# Altium PCB PCB.PcbDoc (part 3 of 10)
Units mm, origin at the board's own origin, x right, y up, seen from the top; angles counter-clockwise.
Board outline 25 x 25 mm, 10 copper layers (Top Layer, bu3, bu2, bu1, Core1, Core1b, bu1b, bu2b, bu3b, Bottom Layer), stack 1.2 mm thick; 43 components, 310 nets, 1945 pads, 12307 vias.
Unrouted connection lines stored in the file: 68.
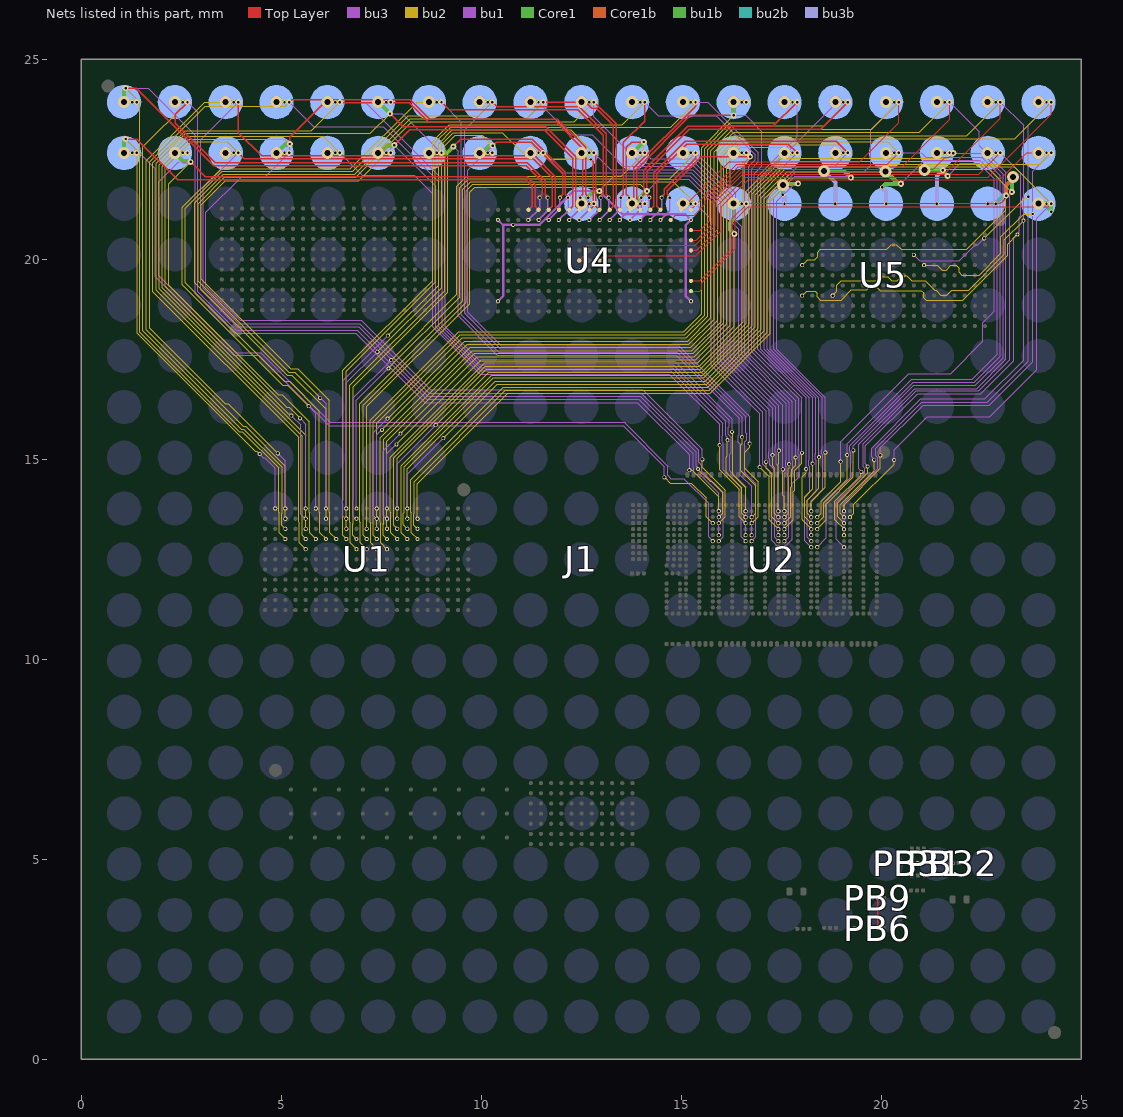
[diagram p11: the nets of this part, all layers, seen from the top]

## Via types
v1: diameter 0.1, hole 0.06, Top Layer to bu3, 2216 vias
v2: diameter 0.1, hole 0.06, bu3 to bu2, 1881 vias
v3: diameter 0.1, hole 0.06, bu3b to Bottom Layer, 1302 vias
v4: diameter 0.1, hole 0.06, bu2b to bu3b, 1272 vias
v5: diameter 0.1, hole 0.06, bu2 to bu1, 1248 vias
v6: diameter 0.15/0.1 (per signal layer), hole 0.06, Core1b to bu1b, 1224 vias
v7: diameter 0.1/0.15 (per signal layer), hole 0.06, bu1 to Core1, 1096 vias
v8: diameter 0.1, hole 0.06, bu1b to bu2b, 1021 vias
v9: diameter 0.25, hole 0.15, Core1 to Core1b, 537 vias
v10: diameter 0.3, hole 0.15, Core1 to Core1b, 253 vias
v11: diameter 0.1/0.1 (per signal layer), hole 0.06, bu1b to bu2b, 114 vias
v12: diameter 0.26, hole 0.15, Core1 to Core1b, 81 vias
v13: diameter 0.1, hole 0.06, bu1 to Core1, 52 vias
v14: diameter 0.105, hole 0.06, Top Layer to bu3, 6 vias
v15: diameter 0.1, hole 0.06, Core1b to bu1b, 4 vias

## Nets (pads, with @x,y where several pads share a name; then routed paths per layer and width w, separated by ;. In a path a pad name is that pad's centre, name@x,y a point inside that pad or via, vN(x,y) a via of type N, cw(c..) or ccw(c..) an arc to the next point about the centre after c; other vN are vias at no path point) (continued)
S_Thru1: PB31.2 PB32.2 | length 0.9
  bu3 w0.04: v1@20.885,4.902 v1(21.779,4.902)
  other v1: 20.909,4.902
S_Thru2: PB6.2 PB9.2 | length 0.8
  Top Layer w0.04: PB6.2@19.914,3.278 PB9.2@19.914,4.038
sig_A1: J1.A1 U1.M4 U2.208 U4.U5 U5.N4 | length 55.1
  Top Layer w0.03: U4.U5@15.242,20.222 15.382,20.222 15.922,20.762 15.922,21.37 16.609,22.057 22.679,22.057 24.245,23.623 v6(24.245,23.931)
  Core1 w0.1: v8(23.93,23.93) v6(24.245,23.931)
  Core1b w0.1: v8(23.93,23.93) v6(24.245,23.931)
  bu3b w0.1: v8(23.93,23.93) v4(24.13,23.93)
  bu2 w0.03: v2@7.639,13.008 7.549,13.098 7.549,13.386 7.555,13.392 7.555,15.499 9.773,17.717 15.266,17.717 15.993,18.444 15.993,22.643 16.367,23.017 23.331,23.017 v6(24.245,23.931) ; v5(22.573,20.522) 23.605,21.554 23.661,21.554 v5(23.67,21.563)
  bu2b w0.1: v8(23.93,23.93) v4(24.13,23.93)
  bu1 w0.03: v1(19.067,13.104) 19.067,13.92 19.91,14.763 19.91,15.042 19.862,15.09 19.862,15.283 21.008,16.429 22.648,16.429 23.669,17.45 v5(23.67,21.563) 23.669,23.355 v6(24.245,23.931) ; v1(20.814,20.11) 20.955,19.969 21.952,19.969 22.344,20.361 22.412,20.361 v5(22.573,20.522)
  bu1b w0.1: v8(23.93,23.93) v6(24.245,23.931)
  other v1: 7.642,13.008 24.245,23.931
  other v2: 7.642,13.008 19.067,13.104 20.814,20.11 24.245,23.931
  other v3: 23.93,23.93
  other v5: 19.067,13.104 20.814,20.11 24.245,23.931
  other v7: 24.245,23.931
  other v10: 23.93,23.93
sig_A2: J1.A2 U1.M5 U2.205 U4.U4 U5.F8 | length 55.3
  Top Layer w0.03: U4.U4@15.242,20.476 15.37,20.476 15.778,20.884 15.778,21.456 16.507,22.185 21.635,22.185 22.975,23.525 v6(22.975,23.931)
  Core1 w0.1: v8(22.66,23.93) v6(22.975,23.931)
  Core1b w0.1: v8(22.66,23.93) v6(22.975,23.931)
  bu3b w0.1: v8(22.66,23.93) v4(22.86,23.93)
  bu2 w0.03: v2(7.641,12.754) 7.483,12.913 7.483,13.408 7.47,13.421 7.47,15.54 9.729,17.799 15.233,17.799 15.912,18.478 15.912,22.677 16.325,23.09 22.134,23.09 v6(22.975,23.931) ; v1(18.782,19.094) 18.891,19.203 18.891,19.351 19.002,19.462 19.912,19.462 20.015,19.565 20.164,19.565 20.259,19.47 20.402,19.47 20.527,19.595 20.634,19.595 20.759,19.47 21.095,19.47 21.336,19.229 21.369,19.229 21.491,19.107 21.641,19.107 21.765,19.231 22.18,19.231 23.074,20.125 23.074,20.488 v5(23.555,20.969) ; v2(19.067,13.554) 18.967,13.654 18.967,13.864 19.82,14.717 v5(19.82,14.986)
  bu2b w0.1: v8(22.66,23.93) v4(22.86,23.93)
  bu1 w0.03: v5(19.82,14.986) 19.82,14.998 19.759,15.059 19.759,15.282 20.992,16.515 22.592,16.515 23.555,17.478 v5(23.555,20.969) 23.555,23.35 v6(22.975,23.931)
  bu1b w0.1: v8(22.66,23.93) v6(22.975,23.931)
  other v1: 7.641,12.754 19.067,13.554 22.975,23.931
  other v2: 18.782,19.094 22.975,23.931
  other v3: 22.66,23.93
  other v5: 22.975,23.931
  other v7: 22.975,23.931
  other v10: 22.66,23.93
sig_A3: J1.A3 U1.L1 U2.207 U4.S2 | length 46
  Top Layer w0.03: U4.S2@14.734,20.984 14.857,21.107 15.323,21.107 15.602,21.386 15.602,21.492 16.426,22.316 20.52,22.316 21.705,23.5 v6(21.705,23.931)
  bu3 w0.03: v1(7.387,13.77) 7.387,15.611 v2(7.516,15.739) v2(7.516,15.739)
  Core1 w0.1: v3(21.39,23.93) v6(21.705,23.931)
  Core1b w0.1: v3(21.39,23.93) v6(21.705,23.931)
  bu3b w0.1: v3(21.39,23.93) v4(21.59,23.93)
  bu2 w0.03: v2(7.516,15.739) 7.516,15.74 9.651,17.875 15.191,17.875 15.821,18.505 15.821,22.688 16.305,23.172 20.946,23.172 v6(21.705,23.931) ; v2@19.067,13.259 18.841,13.485 18.841,13.948 19.487,14.594 19.487,14.674 v5(19.5,14.687)
  bu2b w0.1: v3(21.39,23.93) v4(21.59,23.93)
  bu1 w0.03: v5(19.5,14.687) 19.5,14.699 19.439,14.76 19.439,15.375 20.834,16.77 22.386,16.77 23.116,17.5 23.116,22.172 22.45,22.838 22.45,23.185 v6(21.705,23.931)
  bu1b w0.1: v3(21.39,23.93) v6(21.705,23.931)
  other v1: 19.067,13.254 21.705,23.931
  other v2: 19.067,13.254 21.705,23.931
  other v5: 21.705,23.931
  other v7: 21.705,23.931
  other v8: 21.39,23.93
  other v10: 21.39,23.93
sig_A4: J1.A4 U1.L2 U2.234 U4.T1 | length 42.8
  Top Layer w0.03: U4.T1@14.988,21.238 15.135,21.385 16.195,22.445 19.462,22.445 20.435,23.418 v6(20.435,23.931)
  bu3 w0.03: v1(7.387,13.516) 7.375,13.516 7.297,13.594 7.297,15.66 7.654,16.017 v2(7.655,16.017)
  Core1 w0.1: v3(20.12,23.93) v6(20.435,23.931)
  Core1b w0.1: v3(20.12,23.93) v6(20.435,23.931)
  bu3b w0.1: v3(20.12,23.93) v4(20.32,23.93)
  bu2 w0.03: v2(7.655,16.017) v2(7.655,16.017) 9.592,17.955 15.158,17.955 15.741,18.538 15.741,22.715 16.28,23.254 19.758,23.254 v6(20.435,23.931) ; v1(18.247,13.554) 18.147,13.654 18.147,13.978 18.441,14.272 v5(18.441,15.057)
  bu2b w0.1: v3(20.12,23.93) v4(20.32,23.93)
  bu1 w0.03: v5(18.441,15.057) 18.441,16.539 17.229,17.751 17.229,21.556 17.866,22.193 19.579,22.193 19.74,22.354 19.74,23.236 v6(20.435,23.931)
  bu1b w0.1: v3(20.12,23.93) v6(20.435,23.931)
  other v1: 20.435,23.931
  other v2: 18.247,13.554 20.435,23.931
  other v5: 20.435,23.931
  other v7: 20.435,23.931
  other v8: 20.12,23.93
  other v10: 20.12,23.93
sig_A5: J1.A5 U1.L3 U2.239 U4.P2 | length 41.4
  Top Layer w0.035: v1(14.2,21.541) 14.2,21.558 14.136,21.622 14.136,22.193 15.194,23.251 18.485,23.251 v6(19.165,23.931)
  bu3 w0.035: v1(13.972,20.984) 14.2,21.212 v1(14.2,21.541)
  Core1 w0.1: v10(18.85,23.93) v6(19.165,23.931)
  Core1b w0.1: v10(18.85,23.93) v6(19.165,23.931)
  bu3b w0.1: v10(18.85,23.93) v4(19.05,23.93)
  bu2 w0.03: v2(7.387,13.262) 7.387,15.903 9.521,18.037 15.123,18.037 15.658,18.572 15.658,22.736 16.258,23.336 18.57,23.336 v6(19.165,23.931)
  bu2b w0.1: v10(18.85,23.93) v4(19.05,23.93)
  bu1 w0.03: v2(18.247,12.804) 18.083,12.968 18.083,14.043 18.211,14.171 18.211,14.819 18.191,14.839 18.191,14.979 18.201,14.989 18.201,16.539 16.989,17.751 16.989,22.017 18.902,23.931 v6(19.165,23.931)
  bu1b w0.1: v10(18.85,23.93) v6(19.165,23.931)
  other v1: 18.247,12.804 7.387,13.262 19.165,23.931
  other v2: 19.165,23.931
  other v3: 18.85,23.93
  other v5: 18.247,12.804 19.165,23.931
  other v7: 19.165,23.931
  other v8: 18.85,23.93
sig_A6: J1.A6 U1.L4 U2.236 U4.O2 | length 38.3
  Top Layer w0.035: v1(13.998,21.541) 13.998,21.558 14.062,21.622 14.062,22.223 15.164,23.325 17.289,23.325 v6(17.895,23.931)
  bu3 w0.035: v1(13.718,20.984) 13.998,21.264 v1(13.998,21.541)
  Core1 w0.1: v3(17.58,23.93) v6(17.895,23.931)
  Core1b w0.1: v3(17.58,23.93) v6(17.895,23.931)
  bu3b w0.1: v3(17.58,23.93) v4(17.78,23.93)
  bu2 w0.03: v2@7.387,13.008 7.297,13.098 7.297,13.386 7.303,13.392 7.303,15.939 9.479,18.114 15.091,18.114 15.581,18.604 15.581,22.767 16.226,23.412 17.376,23.412 v6(17.895,23.931) ; v5(18.121,14.758) 18.121,14.663 18.021,14.563 18.021,13.485 v2@18.247,13.259
  bu2b w0.1: v3(17.58,23.93) v4(17.78,23.93)
  bu1 w0.03: v6(17.895,23.931) 17.895,23.065 16.909,22.079 16.909,17.751 18.121,16.539 v5(18.121,14.758)
  bu1b w0.1: v3(17.58,23.93) v6(17.895,23.931)
  other v1: 7.388,13.008 18.247,13.254 17.895,23.931
  other v2: 7.388,13.008 18.247,13.254 17.895,23.931
  other v5: 17.895,23.931
  other v7: 17.895,23.931
  other v8: 17.58,23.93
  other v10: 17.58,23.93
sig_A7: J1.A7 U1.L5 U2.252 U4.P1 | length 34.9
  Top Layer w0.035: U4.P1@13.972,21.238 13.882,21.328 13.882,22.254 15.228,23.6 v7(16.31,23.6)
  Core1 w0.1: v7(16.31,23.6) v8(16.31,23.93)
  Core1b w0.1: v8(16.31,23.93) v6(16.625,23.931)
  bu3b w0.1: v8(16.31,23.93) v4(16.51,23.93)
  bu2 w0.03: v2@7.39,12.754 7.231,12.913 7.231,13.408 7.218,13.421 7.218,15.974 9.435,18.191 15.06,18.191 15.505,18.636 15.505,22.795 v7(16.31,23.6) ; v2@17.577,13.259 17.803,13.485 17.803,14.195 17.839,14.231 17.839,14.724 18.016,14.901 v5(18.016,15.162)
  bu2b w0.1: v8(16.31,23.93) v4(16.51,23.93)
  bu1 w0.03: v7(16.31,23.6) 16.607,23.6 17.012,23.195 17.012,22.326 16.829,22.143 16.829,17.726 18.016,16.539 v5(18.016,15.162)
  bu1b w0.1: v8(16.31,23.93) v6(16.625,23.931)
  other v1: 7.387,12.754 17.577,13.254 16.31,23.6
  other v2: 7.387,12.754 17.577,13.254 16.31,23.6
  other v3: 16.31,23.93
  other v5: 16.31,23.6
  other v10: 16.31,23.93
sig_A8: J1.A8 U1.I3 U2.255 U4.O1 | length 34.9
  Top Layer w0.035: U4.O1@13.718,21.238 13.808,21.328 13.808,22.285 15.355,23.831 v7(15.355,23.931)
  Core1 w0.1: v3(15.04,23.93) v7(15.355,23.931)
  Core1b w0.1: v3(15.04,23.93) v7(15.355,23.931)
  bu3b w0.1: v3(15.04,23.93) v4(15.24,23.93)
  bu2 w0.03: v1(6.625,13.262) 6.625,17.201 8.854,19.43 8.854,22.921 9.239,23.306 14.73,23.306 v7(15.355,23.931)
  bu2b w0.1: v3(15.04,23.93) v4(15.24,23.93)
  bu1 w0.03: v7(15.355,23.931) 15.656,23.931 16.926,22.66 16.926,22.434 16.759,22.267 16.759,17.686 17.934,16.511 17.934,15.254 17.926,15.246 17.926,15.124 17.948,15.102 17.948,14.568 17.777,14.397 17.777,13.004 v5(17.577,12.804)
  bu1b w0.1: v3(15.04,23.93) v7(15.355,23.931)
  other v1: 17.577,12.804 15.355,23.931
  other v2: 17.577,12.804 6.625,13.262 15.355,23.931
  other v5: 15.355,23.931
  other v6: 15.355,23.931
  other v8: 15.04,23.93
  other v10: 15.04,23.93
sig_A9: J1.A9 U1.I4 U2.251 U4.M2 | length 34.5
  Top Layer w0.035: v1(13.49,21.541) 13.49,21.558 13.554,21.622 13.554,22.923 14.085,23.453 v7(14.085,23.931)
  bu3 w0.035: v1(13.21,20.984) 13.49,21.264 v1(13.49,21.541)
  Core1 w0.1: v3(13.77,23.93) v7(14.085,23.931)
  Core1b w0.1: v3(13.77,23.93) v7(14.085,23.931)
  bu3b w0.1: v3(13.77,23.93) v4(13.97,23.93)
  bu2 w0.03: v2@6.625,13.008 6.535,13.098 6.535,13.386 6.541,13.392 6.541,17.227 8.784,19.47 8.784,22.95 9.204,23.37 13.524,23.37 v7(14.085,23.931) ; v2(17.577,13.404) 17.738,13.565 17.738,14.305 17.763,14.33 17.763,14.757 17.858,14.852 v5(17.858,15.047)
  bu2b w0.1: v3(13.77,23.93) v4(13.97,23.93)
  bu1 w0.03: v7(14.085,23.931) 14.427,23.588 15.872,23.588 16.846,22.614 16.846,22.488 16.685,22.327 16.685,17.639 17.858,16.466 v5(17.858,15.047)
  bu1b w0.1: v3(13.77,23.93) v7(14.085,23.931)
  other v1: 6.626,13.008 17.577,13.404 14.085,23.931
  other v2: 6.626,13.008 14.085,23.931
  other v5: 14.085,23.931
  other v6: 14.085,23.931
  other v8: 13.77,23.93
  other v10: 13.77,23.93
sig_A10: J1.A10 U1.G1 U2.262 U4.N1 | length 37.2
  Top Layer w0.035: v6(12.815,23.931) 12.829,23.931 13.374,23.386 13.374,21.328 U4.N1@13.464,21.238
  bu3 w0.03: v2(5.973,16.536) 6.117,16.392 v1(6.117,13.77)
  Core1 w0.1: v8(12.5,23.93) v6(12.815,23.931)
  Core1b w0.1: v8(12.5,23.93) v6(12.815,23.931)
  bu3b w0.1: v8(12.5,23.93) v4(12.7,23.93)
  bu2 w0.03: v2(5.973,16.536) 5.331,17.178 5.189,17.178 2.918,19.449 2.918,21.388 3.577,22.047 6.867,22.047 8.259,23.439 12.323,23.439 v6(12.815,23.931) ; v2(17.427,13.704) 17.427,14.884 17.438,14.895 v5(17.438,15.218)
  bu2b w0.1: v8(12.5,23.93) v4(12.7,23.93)
  bu1 w0.03: v6(12.815,23.931) 12.815,23.561 13.972,22.403 15.348,22.403 16.217,21.534 16.217,17.558 17.438,16.337 v5(17.438,15.218)
  bu1b w0.1: v8(12.5,23.93) v6(12.815,23.931)
  other v1: 17.427,13.704 12.815,23.931
  other v2: 12.815,23.931
  other v3: 12.5,23.93
  other v5: 12.815,23.931
  other v7: 12.815,23.931
  other v10: 12.5,23.93
sig_A11: J1.A11 U1.G2 U2.266 U4.M1 | length 39.2
  Top Layer w0.035: v6(11.545,23.931) 12.609,23.931 12.756,23.783 12.872,23.783 13.3,23.355 13.3,21.328 U4.M1@13.21,21.238
  Core1 w0.1: v3(11.23,23.93) v6(11.545,23.931)
  Core1b w0.1: v3(11.23,23.93) v6(11.545,23.931)
  bu3b w0.1: v3(11.23,23.93) v4(11.43,23.93)
  bu2 w0.03: v1(6.117,13.516) 6.117,16.251 5.266,17.102 5.154,17.102 2.84,19.416 2.84,21.41 3.552,22.122 6.831,22.122 8.227,23.518 11.132,23.518 v6(11.545,23.931)
  bu2b w0.1: v3(11.23,23.93) v4(11.43,23.93)
  bu1 w0.03: v6(11.545,23.931) 11.545,23.803 12.238,23.11 12.773,23.11 13.562,22.321 15.314,22.321 16.143,21.492 16.143,17.516 17.356,16.303 17.356,15.31 17.348,15.302 17.348,15.18 17.37,15.158 17.37,14.876 17.427,14.819 v5(17.427,13.104)
  bu1b w0.1: v3(11.23,23.93) v6(11.545,23.931)
  other v1: 17.427,13.104 11.545,23.931
  other v2: 17.427,13.104 6.117,13.516 11.545,23.931
  other v5: 11.545,23.931
  other v7: 11.545,23.931
  other v8: 11.23,23.93
  other v10: 11.23,23.93
sig_A12: J1.A12 U1.G4 U2.283 U4.L2 | length 42.3
  Top Layer w0.035: v6(10.275,23.931) 10.395,23.81 12.445,23.81 13.12,23.135 13.12,21.622 13.184,21.558 v1(13.184,21.541)
  bu3 w0.035: v1(12.956,20.984) 13.184,21.212 v1(13.184,21.541)
  Core1 w0.1: v3(9.96,23.93) v6(10.275,23.931)
  Core1b w0.1: v3(9.96,23.93) v6(10.275,23.931)
  bu3b w0.1: v3(9.96,23.93) v4(10.16,23.93)
  bu2 w0.03: v2(6.118,13.008) 5.961,13.167 5.961,13.662 5.948,13.675 5.948,16.208 5.21,16.946 5.069,16.946 2.6,19.415 2.6,21.272 3.526,22.198 6.783,22.198 8.173,23.588 9.932,23.588 v6(10.275,23.931)
  bu2b w0.1: v3(9.96,23.93) v4(10.16,23.93)
  bu1 w0.03: v6(10.275,23.931) 9.582,23.238 9.582,18.649 10.47,17.761 14.915,17.761 16.608,16.068 16.608,15.67 16.634,15.644 16.634,15.488 16.584,15.438 16.584,14.666 16.864,14.386 16.864,13.061 v5(16.757,12.954)
  bu1b w0.1: v3(9.96,23.93) v6(10.275,23.931)
  other v1: 16.757,12.954 6.118,13.008 10.275,23.931
  other v2: 16.757,12.954 10.275,23.931
  other v5: 10.275,23.931
  other v7: 10.275,23.931
  other v8: 9.96,23.93
  other v10: 9.96,23.93
sig_A13: J1.A13 U1.F1 U2.279 U4.K2 | length 40.8
  Top Layer w0.035: v6(9.005,23.931) 9.082,23.853 9.199,23.736 12.414,23.736 13.046,23.104 13.046,21.622 12.982,21.558 v1(12.982,21.541)
  bu3 w0.03: v2(5.683,16.329) 5.863,16.149 v1(5.863,13.77)
  bu3 w0.035: v1(12.702,20.984) 12.982,21.264 v1(12.982,21.541)
  Core1 w0.1: v3(8.69,23.93) v6(9.005,23.931)
  Core1b w0.1: v3(8.69,23.93) v6(9.005,23.931)
  bu3b w0.1: v3(8.69,23.93) v4(8.89,23.93)
  bu2 w0.03: v2(5.683,16.329) 5.157,16.855 5.041,16.855 2.529,19.367 2.529,21.297 3.497,22.265 6.729,22.265 8.395,23.931 v6(9.005,23.931) ; v5(16.519,15.555) 16.519,15.385 16.48,15.346 16.48,14.713 16.857,14.336 16.857,13.654 v2(16.757,13.554)
  bu2b w0.1: v3(8.69,23.93) v4(8.89,23.93)
  bu1 w0.03: v6(9.005,23.931) 9.503,23.432 9.503,18.616 10.437,17.682 14.886,17.682 16.519,16.049 v5(16.519,15.555)
  bu1b w0.1: v3(8.69,23.93) v6(9.005,23.931)
  other v1: 16.757,13.554 9.005,23.931
  other v2: 9.005,23.931
  other v5: 9.005,23.931
  other v7: 9.005,23.931
  other v8: 8.69,23.93
  other v10: 8.69,23.93
sig_A14: J1.A14 U1.E4 U2.291 U4.J1 | length 41.9
  Top Layer w0.035: v5(7.717,23.641) 8.045,23.313 11.605,23.313 12.358,22.56 12.358,21.328 U4.J1@12.448,21.238
  Core1 w0.1: v8(7.42,23.93) 7.424,23.93 7.713,23.641 v5(7.717,23.641)
  Core1b w0.1: v8(7.42,23.93) v6(7.735,23.931)
  bu3b w0.1: v8(7.42,23.93) v4(7.62,23.93)
  bu2 w0.03: v2@5.607,13.008 5.517,13.098 5.517,13.386 5.523,13.392 5.523,15.572 1.868,19.227 1.868,22.397 2.617,23.146 7.222,23.146 v5(7.717,23.641) ; v5(16.268,15.686) 16.28,15.674 16.28,14.616 16.607,14.289 v2(16.607,13.704)
  bu2b w0.1: v8(7.42,23.93) v4(7.62,23.93)
  bu1 w0.03: v5(7.717,23.641) 8.024,23.641 9.099,22.566 9.099,18.32 9.971,17.448 14.833,17.448 16.275,16.006 16.275,15.693 v5(16.268,15.686)
  bu1b w0.1: v8(7.42,23.93) v6(7.735,23.931)
  other v1: 5.61,13.008 16.607,13.704 7.717,23.641
  other v2: 5.61,13.008 7.717,23.641
  other v3: 7.42,23.93
  other v7: 7.717,23.641
  other v10: 7.42,23.93
sig_A15: J1.A15 U1.E5 U2.295 | length 36.2
  Core1 w0.1: v3(6.15,23.93) v7(6.465,23.931)
  Core1b w0.1: v3(6.15,23.93) v7(6.465,23.931)
  bu3b w0.1: v3(6.15,23.93) v4(6.35,23.93)
  bu2 w0.03: v1(5.609,12.754) 5.451,12.913 5.451,13.408 5.438,13.421 5.438,15.547 1.79,19.195 1.79,22.408 2.599,23.217 5.751,23.217 v7(6.465,23.931)
  bu2b w0.1: v3(6.15,23.93) v4(6.35,23.93)
  bu1 w0.03: v7(6.465,23.931) 7.093,23.931 9.017,22.006 9.017,18.32 9.971,17.366 14.799,17.366 16.194,15.971 16.194,15.818 16.178,15.802 16.178,15.624 16.244,15.558 16.244,15.165 16.209,15.13 16.209,14.713 16.607,14.315 v5(16.607,13.104)
  bu1b w0.1: v3(6.15,23.93) v7(6.465,23.931)
  other v1: 16.607,13.104
  other v2: 5.609,12.754 16.607,13.104
  other v5: 6.465,23.931
  other v6: 6.465,23.931
  other v8: 6.15,23.93
  other v10: 6.15,23.93
sig_A16: J1.A16 U1.C1 U2.292 U4.J2 | length 44.4
  Top Layer w0.035: v6(5.195,23.931) 5.256,23.992 8.222,23.992 8.706,23.508 11.904,23.508 12.612,22.8 12.612,21.622 12.676,21.558 v1(12.676,21.541)
  bu3 w0.03: v2(4.915,15.148) 5.102,14.961 v1(5.102,13.77)
  bu3 w0.035: v1(12.448,20.984) 12.676,21.212 v1(12.676,21.541)
  Core1 w0.1: v8(4.88,23.93) v6(5.195,23.931)
  Core1b w0.1: v8(4.88,23.93) v6(5.195,23.931)
  bu3b w0.1: v8(4.88,23.93) v4(5.08,23.93)
  bu2 w0.03: v2(4.915,15.148) 3.678,16.385 3.603,16.385 1.708,18.279 1.708,22.438 3.099,23.829 5.093,23.829 v6(5.195,23.931) ; v5(16.154,15.477) 16.154,15.085 16.117,15.048 16.117,14.675 16.507,14.285 16.507,13.654 v2(16.607,13.554)
  bu2b w0.1: v8(4.88,23.93) v4(5.08,23.93)
  bu1 w0.03: v6(5.195,23.931) 5.805,23.32 7.554,23.32 8.941,21.933 8.941,18.318 9.969,17.29 14.768,17.29 16.11,15.948 16.11,15.588 16.15,15.548 16.15,15.481 v5(16.154,15.477)
  bu1b w0.1: v8(4.88,23.93) v6(5.195,23.931)
  other v1: 16.607,13.554 5.195,23.931
  other v2: 5.195,23.931
  other v3: 4.88,23.93
  other v5: 5.195,23.931
  other v7: 5.195,23.931
  other v10: 4.88,23.93
sig_A17: J1.A17 U1.C2 U2.308 U4.H1 | length 45.8
  Top Layer w0.035: v6(3.925,23.931) 3.925,23.168 4.505,22.588 11.332,22.588 11.85,22.07 11.85,21.328 U4.H1@11.94,21.238
  Core1 w0.1: v3(3.61,23.93) v6(3.925,23.931)
  Core1b w0.1: v3(3.61,23.93) v6(3.925,23.931)
  bu3b w0.1: v3(3.61,23.93) v4(3.81,23.93)
  bu2 w0.03: v6(3.925,23.931) 3.089,23.931 1.623,22.464 1.623,18.244 4.044,15.823 4.109,15.823 5.102,14.83 v1(5.102,13.516) ; v5(15.416,14.758) 15.72,14.454 15.747,14.454 16.037,14.164 16.037,13.654 v2(15.937,13.554)
  bu2b w0.1: v3(3.61,23.93) v4(3.81,23.93)
  bu1 w0.03: v6(3.925,23.931) 2.98,22.986 2.98,19.234 3.903,18.311 6.931,18.311 8.664,16.578 13.969,16.578 15.367,15.18 15.367,14.822 15.416,14.773 v5(15.416,14.758)
  bu1b w0.1: v3(3.61,23.93) v6(3.925,23.931)
  other v1: 15.937,13.554 3.925,23.931
  other v2: 5.102,13.516 3.925,23.931
  other v5: 3.925,23.931
  other v7: 3.925,23.931
  other v8: 3.61,23.93
  other v10: 3.61,23.93
sig_A18: J1.A18 U1.C3 U2.311 U4.F2 | length 46.9
  Top Layer w0.035: v7(2.655,23.931) 2.348,23.624 2.348,23.404 3.344,22.409 11.152,22.409 11.596,21.965 11.596,21.622 11.66,21.558 v1(11.66,21.541)
  bu3 w0.035: v1(11.432,20.984) 11.66,21.212 v1(11.66,21.541)
  Core1 w0.1: v8(2.34,23.93) v7(2.655,23.931)
  Core1b w0.1: v8(2.34,23.93) v7(2.655,23.931)
  bu3b w0.1: v8(2.34,23.93) v4(2.54,23.93)
  bu2 w0.03: v7(2.655,23.931) 1.542,22.818 1.542,18.211 3.995,15.758 4.066,15.758 5.017,14.807 5.017,13.646 5.012,13.641 5.012,13.352 v1(5.102,13.262)
  bu2b w0.1: v8(2.34,23.93) v4(2.54,23.93)
  bu1 w0.03: v7(2.655,23.931) 2.913,23.672 2.913,19.188 3.87,18.231 6.898,18.231 8.631,16.498 13.936,16.498 15.295,15.139 15.295,14.798 15.311,14.782 15.311,14.682 15.361,14.632 15.461,14.632 15.937,14.156 v2(15.937,13.104)
  bu1b w0.1: v8(2.34,23.93) v7(2.655,23.931)
  other v1: 15.937,13.104 2.655,23.931
  other v2: 5.102,13.262 2.655,23.931
  other v3: 2.34,23.93
  other v5: 15.937,13.104 2.655,23.931
  other v6: 2.655,23.931
  other v10: 2.34,23.93
sig_A19: J1.A19 U1.C4 U2.307 U4.E2 | length 48.8
  Top Layer w0.035: v5(1.11,24.277) 1.371,24.277 3.313,22.335 11.122,22.335 11.522,21.935 11.522,21.622 11.458,21.558 v1(11.458,21.541)
  bu3 w0.035: v1(11.178,20.984) 11.458,21.264 v1(11.458,21.541)
  Core1 w0.1: v3(1.07,23.93) 1.07,24.223 1.11,24.263 v5(1.11,24.277)
  Core1b w0.1: v3(1.07,23.93) v6(1.385,23.931)
  bu3b w0.1: v3(1.07,23.93) v4(1.27,23.93)
  bu2 w0.03: v5(1.11,24.277) 1.466,23.921 1.466,18.179 3.953,15.692 4.028,15.692 4.932,14.788 4.932,13.675 4.945,13.662 4.945,13.167 v2(5.102,13.009) ; v5(15.2,14.731) 15.203,14.728 15.271,14.728 15.937,14.062 v2(15.937,13.704)
  bu2b w0.1: v3(1.07,23.93) v4(1.27,23.93)
  bu1 w0.03: v5(1.11,24.277) 1.669,24.277 2.848,23.098 2.848,19.14 3.837,18.151 6.865,18.151 8.598,16.418 13.903,16.418 15.207,15.114 15.207,14.738 v5(15.2,14.731)
  bu1b w0.1: v3(1.07,23.93) v6(1.385,23.931)
  other v1: 5.102,13.009 15.937,13.704 1.11,24.277
  other v2: 1.11,24.277
  other v7: 1.11,24.277
  other v8: 1.07,23.93
  other v10: 1.07,23.93
sig_B1: J1.B1 U1.O4 U2.204 U4.L6 U5.O5 | length 53.3
  Top Layer w0.03: U4.L6@12.956,19.968 13.075,20.087 15.362,20.087 15.994,20.719 15.994,21.314 16.675,21.995 22.965,21.995 23.631,22.661 v6(24.245,22.661)
  Core1 w0.1: v3(23.93,22.66) v6(24.245,22.661)
  Core1b w0.1: v3(23.93,22.66) v6(24.245,22.661)
  bu3b w0.1: v3(23.93,22.66) v4(24.13,22.66)
  bu2 w0.03: v1(8.15,13.008) 7.996,13.164 7.996,14.84 10.26,17.104 15.537,17.104 16.778,18.345 16.778,21.641 17.518,22.381 23.965,22.381 v6(24.245,22.661) ; v1(19.067,13.704) 19.067,13.861 19.978,14.772 v5(19.978,15.101) ; v1(21.068,19.856) 21.393,19.856 21.521,19.728 21.619,19.728 21.742,19.851 21.872,19.851 21.951,19.772 21.951,19.671 22.016,19.606 22.443,19.606 22.988,20.151 22.988,20.56 23.56,21.132 v5(23.786,21.132)
  bu2b w0.1: v3(23.93,22.66) v4(24.13,22.66)
  bu1 w0.03: v5(19.978,15.101) 19.978,15.29 21.042,16.354 22.701,16.354 23.783,17.436 23.783,21.132 23.783,22.199 v6(24.245,22.661)
  bu1b w0.1: v3(23.93,22.66) v6(24.245,22.661)
  other v1: 24.245,22.661
  other v2: 8.15,13.008 19.067,13.704 21.068,19.856 24.245,22.661
  other v5: 24.245,22.661
  other v7: 24.245,22.661
  other v8: 23.93,22.66
  other v10: 23.93,22.66
sig_B2: J1.B2 U1.N1 U2.206 U4.J6 U5.C8 | length 54
  Top Layer w0.03: U4.J6@12.448,19.968 12.571,20.091 12.571,20.256 12.662,20.347 15.352,20.347 15.85,20.845 15.85,21.434 16.537,22.121 22.435,22.121 v6(22.975,22.661)
  bu3 w0.03: v1(7.895,13.77) 7.895,14.891 v2(8.858,15.854)
  Core1 w0.1: v8(22.66,22.66) v6(22.975,22.661)
  Core1b w0.1: v8(22.66,22.66) v6(22.975,22.661)
  bu3b w0.1: v8(22.66,22.66) v4(22.86,22.66)
  bu2 w0.03: v2(8.858,15.854) 10.181,17.177 15.507,17.177 16.702,18.372 16.702,21.668 17.485,22.451 22.765,22.451 v6(22.975,22.661) ; v1(18.02,19.094) 18.13,19.204 18.344,19.204 18.394,19.154 18.394,19.058 18.471,18.981 18.998,18.981 19.254,19.237 19.631,19.237 19.737,19.343 19.847,19.343 19.97,19.22 21.004,19.22 21.064,19.16 21.064,19.041 21.124,18.981 22.035,18.981 23.157,20.103 23.157,20.374 v5(23.404,20.621) ; v2(19.067,13.404) 18.906,13.565 18.906,13.912 19.66,14.666 v5(19.66,14.821)